# Allegro board 20173009_BALENA-FIN_V10.brd (continued)
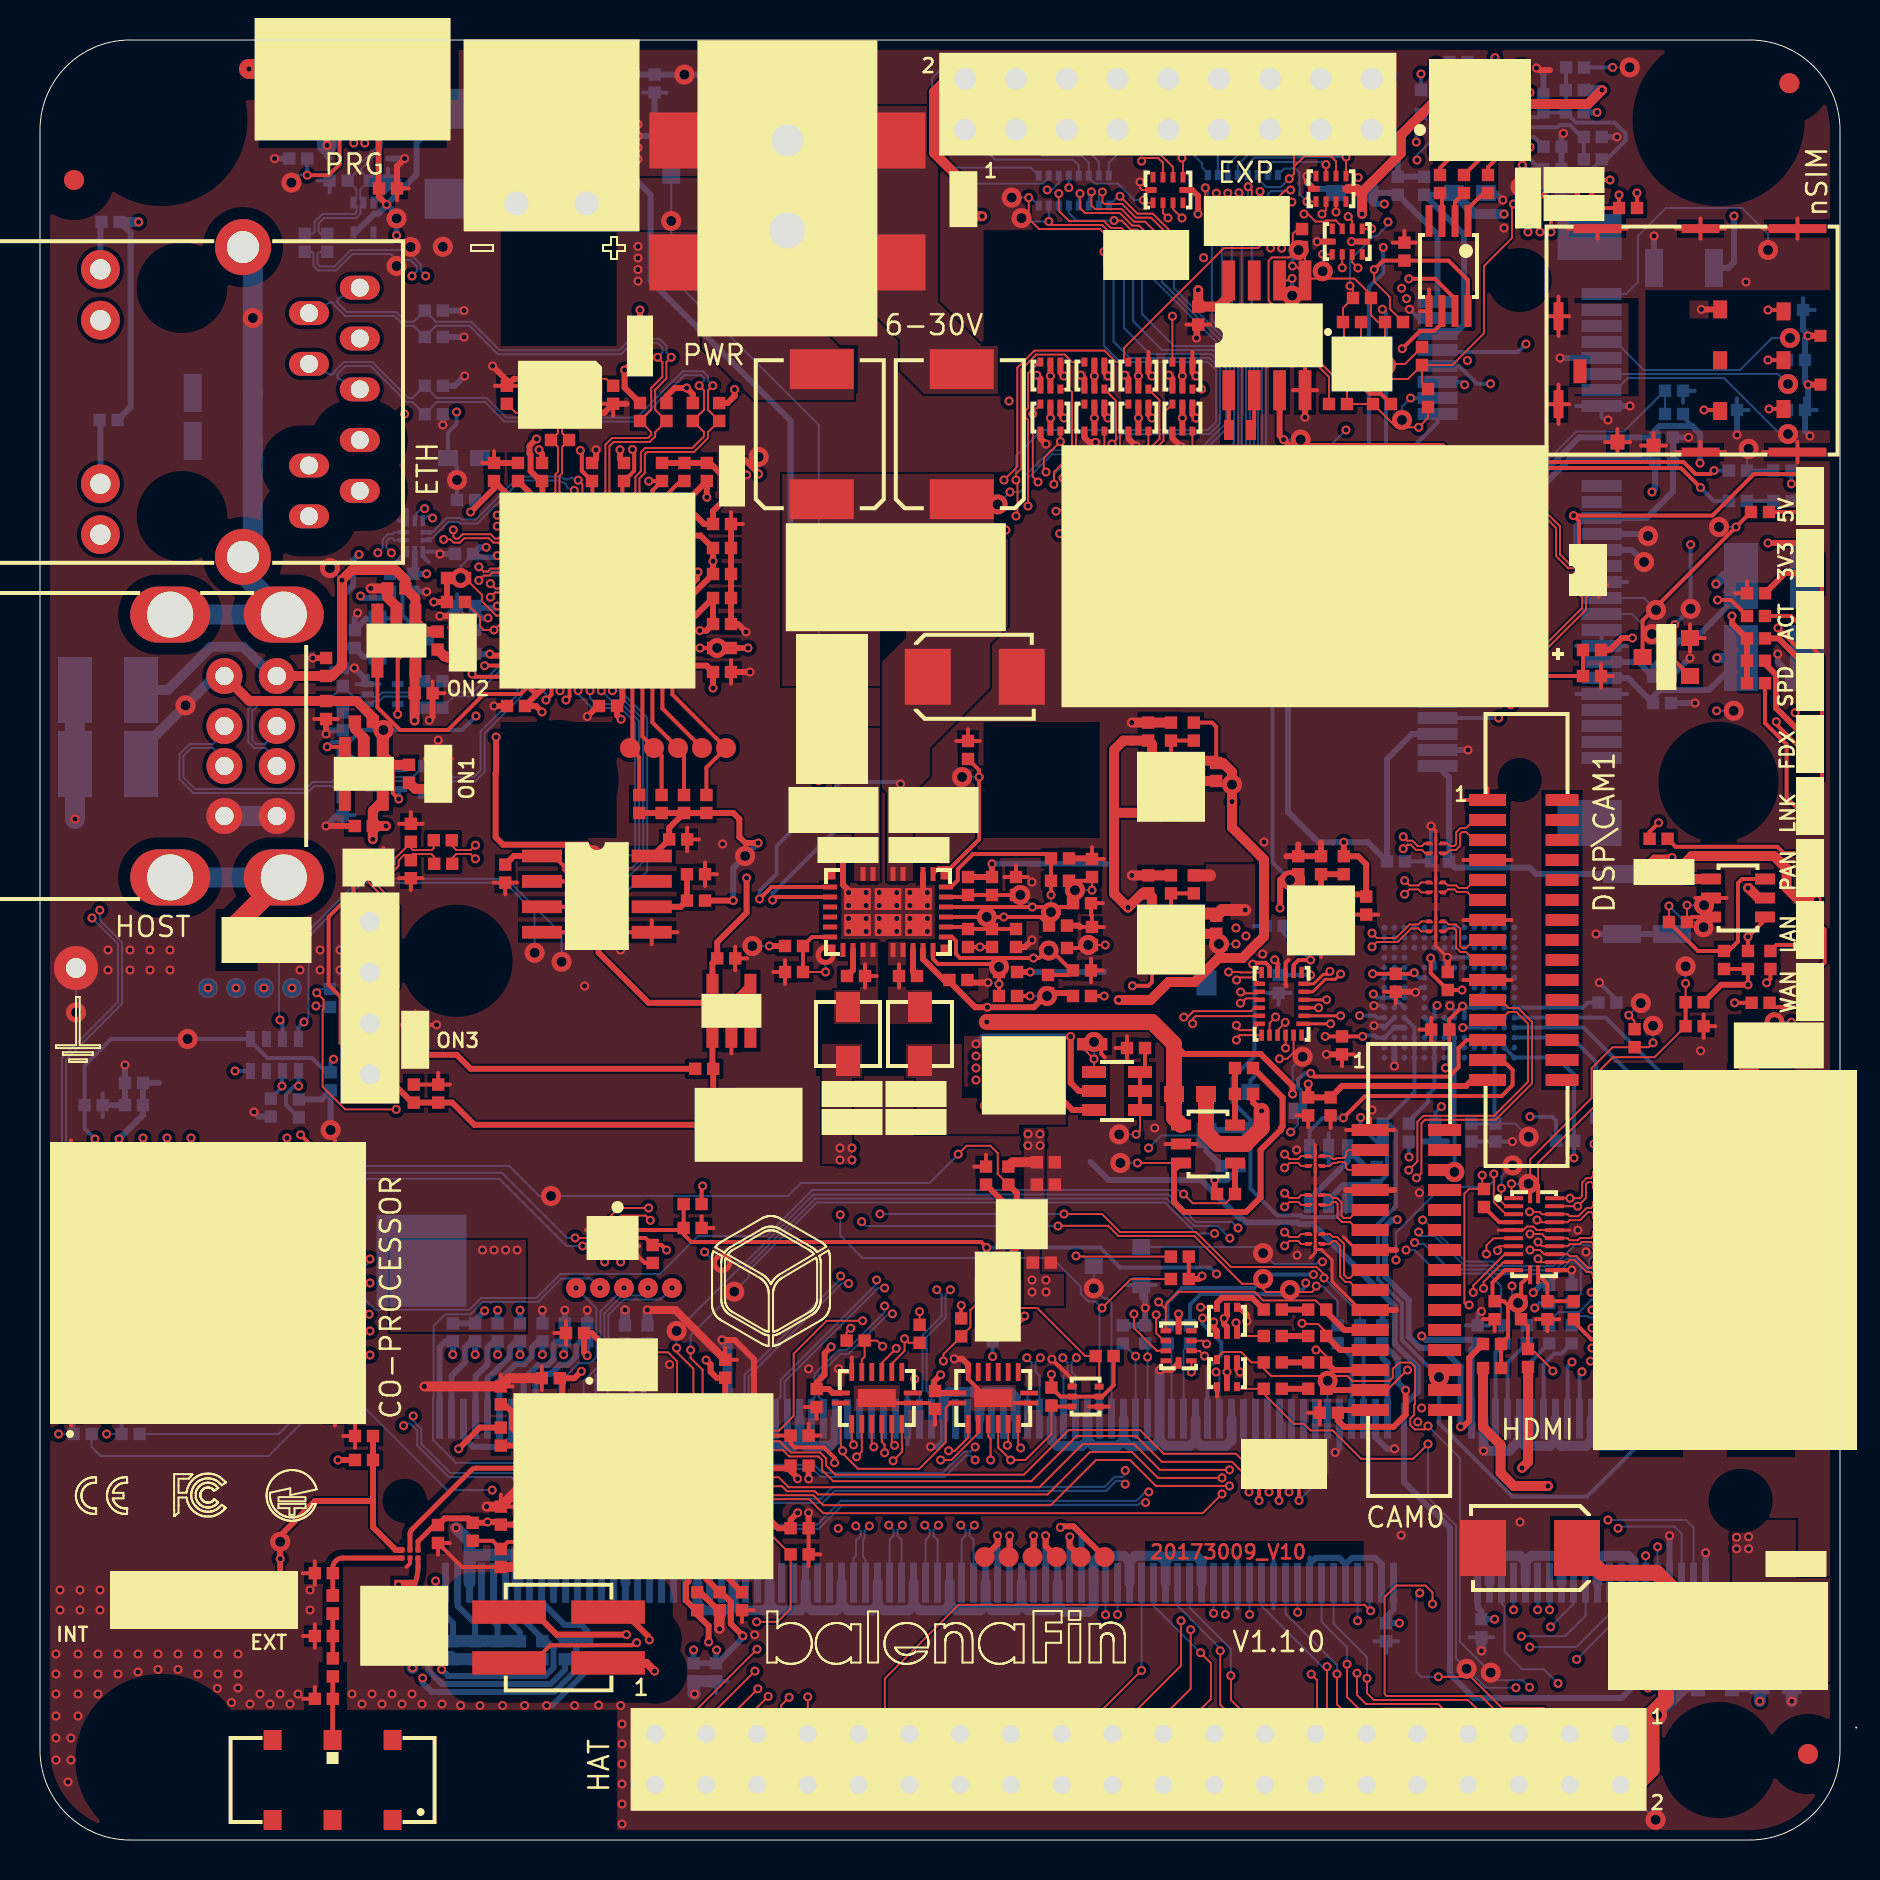
[diagram p0: board, top side]
## Routing (per net, layer and track width the routed paths; a pad name or vN(x,y) marks a point on that pad's centre or on a via; arc(x,y) is an arc through that point) (continued)
N16879685: length 1.8
  TOP w0.2: R13.2 72.96,30.89 U1.4
N16879735: length 6.3
  TOP w0.2: R244.2 R243.2 73.4,25.15 73.4,26.74 73.2,26.94 C9.1 72.62,27.05 72.62,27.88 73.24,28.49 U1.10
N16879749: length 32.5
  TOP w1: C8.2 85.44,37.48 J1.22 ; J1.24 J1.21 87.05,22.12 87.05,35.88 J1.22 ; J1.23 v1(83.64,36.88) J1.22
  BOTTOM w0.1: v1(83.64,36.88) v2(83.64,37.73)
N16879759: length 1.5
  TOP w0.2: R16.2 74.05,27.81 U1.11
N16879761: length 2.8
  TOP w0.2: L1.1 C10.1 75.37,27.8 U1.12
N16882551: length 14
  TOP w0.1: v1(51.8,29.2) 51.83,29.17 R21.1
  BOTTOM w0.1: v1(51.8,29.2) 52.19,29.2 Q1.3 v2(52.69,27.58) 53.2,27.08 53.36,27.08 53.58,26.86 53.58,22.07 53.58,22.06 J2.88
N16891942: length 5.6
  BOTTOM w0.2: Q6.3 18.13,61.24 18.13,63.11 17.93,63.31 R113.2 17.5,63.58 U13.10
N16969912: length 8
  INT1 w0.2: v1(12.6,42.6) 12.6,38.03 v1(12.93,37.7)
  BOTTOM w0.2: R128.1 12.94,36.13 12.3,36.77 12.3,37.3 12.7,37.7 v1(12.93,37.7) RR4.1
N16969957: length 6.9
  INT1 w0.2: v1(11.2,42.6) 11.2,38.6 v1(12.1,37.7)
  BOTTOM w0.2: R132.1 12.1,37.63 v1(12.1,37.7) 12.1,38.42 RR4.2
N16969979: length 5
  INT1 w0.2: v1(9.8,42.6) 9.8,38.5 v1(9.75,38.45)
  BOTTOM w0.2: RR4.4 v1(9.75,38.45)
N17037416: length 3.9
  BOTTOM w0.3: R29.1 29.58,24.5 J2.168
N17062592: length 1.4
  TOP w0.1: v1(59.95,82.36) 60.09,82.22 RR3.13
  BOTTOM w0.1: RR2.5 59.89,82.29 59.95,82.35 v1(59.95,82.36)
N17062595: length 1.3
  TOP w0.1: RR3.14 59.59,82.11 59.39,82.31 v1(59.39,82.34)
  BOTTOM w0.1: v1(59.39,82.34) RR2.6
N17062598: length 1.4
  TOP w0.1: v1(58.82,82.34) 58.82,82.32 59.09,82.05 RR3.15
  BOTTOM w0.1: RR2.7 58.89,82.25 58.82,82.32 v1(58.82,82.34)
N17062601: length 2
  TOP w0.1: RR3.16 58.27,82.02 v1(58.27,82.61)
  BOTTOM w0.1: v1(58.27,82.61) 58.39,82.48 RR2.8
N17069111: length 32.4
  BOTTOM w0.3: DS33.1 23.83,85.36 27.43,85.36 30.53,82.26 30.53,77.96 37.53,70.96 v1(37.53,65.46)
N17119064: length 2.1
  TOP w0.3: R49.1 R52.2 U6.5
N17122549: length 22.1
  TOP w0.2: v1(71.37,61.7) 71.8,62.12 71.8,62.68 71.55,62.93 71.55,68.4 71.75,68.6 82.05,68.6 v1(83.03,67.62)
  BOTTOM w0.2: R144.1 83.7,66.95 v1(83.03,67.62) ; J19.32 v1(71.37,61.7)
N17122560: length 21.2
  TOP w0.2: v1(71.37,62.5) 71.25,62.62 71.25,68.52 71.62,68.9 82.17,68.9 82.77,68.3 83.53,68.3 v1(83.7,68.47)
  BOTTOM w0.2: J19.30 v1(71.37,62.5) ; R142.1 v1(83.7,68.47)
N17123208: length 15.8
  TOP w0.2: R187.1 v1(74.4,80.4)
  INT1 w0.2: v1(74.4,80.4) 74,80 73.08,80 71.92,78.84 71.92,73.85 71.57,73.5 69.93,73.5 v1(68.53,72.1)
  BOTTOM w0.1: v2(68.1,71) 68.1,71.67 v1(68.53,72.1)
  BOTTOM w0.2: J19.14 v1(68.53,72.1)
N17123211: length 14.4
  TOP w0.2: R186.1 75,82.1 v1(75,80.4)
  INT1 w0.2: v1(71.23,72.76) 71.53,72.76 72.28,73.51 72.28,78.78 73.2,79.7 74.3,79.7 75,80.4 v1(75,80.4)
  BOTTOM w0.2: v1(71.23,72.76) 71.09,72.9 J19.12
N17123214: length 13.8
  TOP w0.2: v1(75.55,80.4) 75.55,81.25 R185.1
  INT1 w0.2: v1(72.53,72.81) 72.58,72.87 72.58,73.3 73.3,74.02 73.3,74.83 76.3,77.83 76.3,79.65 v1(75.55,80.4)
  BOTTOM w0.2: J19.10 70.93,73.7 71.08,73.55 71.1,73.55 71.84,72.81 v1(72.53,72.81)
N17123217: length 25.9
  TOP w0.2: R188.2 v1(79.85,82.35) ; 87.17,76.43 87.11,76.5 v1(86.4,76.5)
  INT1 w0.2: v1(86.4,76.5) 85.7,76.5 v1(79.85,82.35) 79.85,80.75 74.3,75.2 v1(74.3,74.8)
  BOTTOM w0.2: J19.8 69.98,74.4 73.9,74.4 v1(74.3,74.8) ; C153.1 v1(86.4,76.5)
N17128944: length 2.4
  BOTTOM w0.1: R142.2 85.35,69.48 v2(85.43,69.56)
  BOTTOM w0.2: R143.1 R142.2
N17129002: length 1.3
  BOTTOM w0.2: R145.1 R144.2
N17130185: length 46.8
  TOP w0.2: R248.1 C211.1 72.7,58.2 72.4,57.9 68,57.9 66.9,59 66.9,64.12 v1(68.47,65.7) 66.1,68.08 v1(66.1,68.4)
  INT2 w0.2: v1(67.12,76.53) 67.12,78.33 67.14,78.35 67.14,78.63 69.28,80.77 69.28,88.07 v1(69.05,88.3)
  BOTTOM w0.2: v1(66.1,68.4) 67.3,69.6 v2(67.3,73.74) 67.3,76.36 v1(67.12,76.53) ; R250.1 v1(69.05,88.3) ; J19.22 v1(68.47,65.7)
N17130223: length 10.7
  BOTTOM w0.1: J19.7 78.79,74.9 80.19,73.5 85,73.5 86.6,75.1 v2(87.5,75.1)
N17130226: length 9.5
  BOTTOM w0.1: J19.11 86.9,73.3 v2(87.4,72.8)
N17130229: length 10.7
  BOTTOM w0.1: v2(87.4,70.3) 87,70.3 84.2,73.1 79.39,73.1 78.79,72.5 J19.13
N17130232: length 2.4
  BOTTOM w0.3: J19.23 80.3,65.3 v2(80.4,65.2)
N17130235: length 2.4
  BOTTOM w0.3: J19.25 79.6,64.5 v2(80.2,63.9)
N17130238: length 3
  BOTTOM w0.1: J19.31 80.2,62.1 v2(80.8,61.5)
N17130241: length 2.9
  BOTTOM w0.1: J19.33 79.6,61.3 v2(80.6,60.3)
N17130249: length 12.8
  BOTTOM w0.1: v2(86.4,79.5) 86.4,80.3 85.1,81.6 81.3,81.6 79.9,80.2 79.9,77.9 79.3,77.3 J19.1
N17159243: length 2.1
  TOP w0.2: LD4.1 88.45,66.4 R66.2
N17159780: length 2.7
  TOP w0.3: LD5.1 87.26,63.35 R67.2
N17163814: length 2
  TOP w0.1: v1(60.41,82.66) 60.41,82.66 60.59,82.48 RR3.12
  BOTTOM w0.1: RR2.4 60.39,82.65 v1(60.41,82.66)
N17163832: length 1.5
  TOP w0.1: v1(61,82.43) 61.09,82.34 RR3.11
  BOTTOM w0.1: v1(61,82.43) 60.89,82.32 RR2.3
N17163850: length 3.1
  TOP w0.1: RR3.10 61.59,81.81 62.28,82.5 v1(62.53,82.5)
  BOTTOM w0.1: v1(62.53,82.5) 62.47,82.44 61.54,82.44 61.39,82.29 RR2.2
N17179377: length 4.4
  TOP w0.25: U26.3 18.9,13.65 arc(18.72,12.75) J9.1
  BOTTOM w0.1: v2(16.93,11.06) 17.93,12.06 v1(17.93,12.76)
N17179423: length 3.2
  TOP w0.24: ANT1.2 14.63,7.05 C60.1 C202.2
N17179429: length 2.2
  TOP w0.24: R224.2 C201.1 C202.1
N17199581: length 4.6
  BOTTOM w0.2: R8.1 76.07,24.32 75.71,24.32 75.18,23.79 J2.28
N17199633: length 4.1
  BOTTOM w0.2: R9.1 74.58,23.95 J2.30
N17201498: length 3.8
  BOTTOM w0.2: R14.1 66.18,24.65 J2.46
N17201501: length 4.1
  BOTTOM w0.2: R15.1 65.58,24.13 J2.48
N17201615: length 3.9
  BOTTOM w0.1: R17.1 57.18,24.51 J2.76
N17201618: length 3.9
  BOTTOM w0.1: R19.1 56.58,24.63 J2.78
N17222181: length 4.3
  BOTTOM w0.2: U17.A6 77.13,41.62 77.38,41.87 R139.2
N17222186: length 6.8
  INT2 w0.2: v1(69.85,41.73) 69.85,36.89 v1(70.07,36.67)
  BOTTOM w0.2: v1(70.07,36.67) 69.77,36.37 R140.2 ; v1(69.85,41.73) 69.72,41.6 U17.J5
N17293442: length 6.5
  TOP w0.3: TP1.1 53.21,14.15 51.68,15.69 51.08,15.69 v1(51.02,15.63)
  BOTTOM w0.3: v1(51.02,15.63) 51.08,15.69 51.68,15.69 52.08,15.28 J2.93
N17293451: length 3.5
  TOP w0.3: v1(51.49,15.16) 51.48,15.15 51.48,14.7 TP2.1
  BOTTOM w0.3: J2.95 51.48,15.15 v1(51.49,15.16)
N17293460: length 3.6
  TOP w0.3: TP3.1 50.28,14.7 v1(50.28,15.21)
  BOTTOM w0.3: J2.99 v1(50.28,15.21)
N17293469: length 3.4
  TOP w0.3: TP4.1 49.68,14.2 v1(49.68,15.21)
  BOTTOM w0.3: v1(49.68,15.21) J2.101
N17293478: length 3.4
  TOP w0.3: v1(48.48,15.21) 48.48,14.2 TP5.1
  BOTTOM w0.3: v1(48.48,15.21) J2.105
N17293487: length 3.7
  TOP w0.3: TP6.1 47.88,14.8 v1(47.88,15.21)
  BOTTOM w0.3: v1(47.88,15.21) J2.107
N17293833: length 3.8
  BOTTOM w0.3: J2.166 30.18,24.64 R28.1
N17297409: length 8.6
  BOTTOM w0.3: R237.1 28.91,87.56 29.63,88.27 R32.2 v2(32.22,88.27) 35.64,88.27 35.86,88.05 Q2.1
N17299945: length 73.2
  TOP w0.2: v1(83.88,62) 84.55,62 R31.1
  INT2 w0.1: v1(34.73,84.2) 34.73,77.87 38.15,74.45 53.08,74.45 54.13,75.5 77.04,75.5 80.11,72.43 80.11,68.89 84.17,64.83 84.17,62.3 v1(83.88,62)
  BOTTOM w0.1: v1(34.73,84.2) 34.7,84.2 34.66,84.16 Q3.3
  BOTTOM w0.3: Q3.3 33.93,84.35 34.28,84.7 35.47,84.7 v2(35.63,84.86) 35.91,85.13 Q2.2
N17304746: length 2.6
  TOP w0.2: R31.2 87.55,61.2 LD17.1
N17324040: length 1.4
  TOP w0.1: v1(62.59,81.9) 62.39,81.7 RR3.9
  BOTTOM w0.1: RR2.1 62.43,81.74 v1(62.59,81.9)
N17354151: length 5.7
  TOP w0.2: J13.4 14.98,83.78 14.44,83.24 v1(13.36,83.24)
  BOTTOM w0.1: v1(13.36,83.24) 12.94,83.24 v2(12.57,82.87)
  BOTTOM w0.2: R153.2 v1(13.36,83.24)
N18385522: length 7
  TOP w0.5: F2.1 44.7,84.36 44.7,87.4 45.36,88.06 J14.2
N18386630: length 4.8
  TOP w0.1: v1(54,82.19) 54.87,81.31 55.64,81.31 56.56,80.4 56.87,80.4 57.06,80.21 RR13.9
  BOTTOM w0.1: v1(54,82.19) 53.91,82.19 RR14.1
N18386633: length 5.5
  TOP w0.1: v1(53.12,82.4) 53.12,81.9 53.22,81.8 54.1,81.8 54.79,81.12 55.56,81.12 56.56,80.11 RR13.10
  BOTTOM w0.1: v1(53.12,82.4) 52.94,82.22 RR14.2
N18386636: length 5.7
  TOP w0.1: RR13.11 56.06,80.11 55.26,80.91 54.71,80.91 54.07,81.55 52.75,81.55 52.57,81.73 v1(52.57,82.41)
  BOTTOM w0.1: v1(52.57,82.41) 52.44,82.27 RR14.3
N18386651: length 5.6
  TOP w0.1: v1(52,82.32) 52,81.6 52.25,81.35 53.99,81.35 54.62,80.72 54.96,80.72 55.56,80.11 RR13.12
  BOTTOM w0.1: v1(52,82.32) 51.94,82.26 RR14.4
N18386810: length 4.7
  TOP w0.1: RR13.13 55.06,80.33 54.87,80.52 54.54,80.52 54.08,80.97 v1(53.7,80.97)
  BOTTOM w0.1: RR14.5 51.44,81.36 51.83,80.97 v1(53.7,80.97)
N18386815: length 5.8
  TOP w0.1: RR13.14 54.56,80.11 54.07,80.6 53.54,80.6 53.19,80.95 51.45,80.95 50.94,81.46 v1(50.94,82.32)
  BOTTOM w0.1: RR14.6 v1(50.94,82.32)
N18386822: length 6.5
  TOP w0.1: v1(50.44,80.93) 50.44,80.85 50.54,80.75 53.11,80.75 53.46,80.4 53.96,80.4 54.06,80.3 RR13.15
  BOTTOM w0.1: RR14.7 v1(50.44,80.93) 49.25,80.93 v2(49.08,81.09)
N18386825: length 7.1
  TOP w0.1: v1(49.44,82.12) 49.44,81.06 49.95,80.55 53,80.55 53.45,80.1 53.46,80.1 RR13.16
  BOTTOM w0.1: RR14.8 49.54,82.12 v1(49.44,82.12) v2(48.59,82.12)
N18400731: length 1.7
  TOP w0.3: U20.4 48.34,31.73 C152.1
N18401161: length 1.8
  TOP w0.3: R182.1 48.84,29.62 U20.6
N18405003: length 3.9
  BOTTOM w0.2: R1.2 80.22,9.14 R183.2 80.5,10.36 R3.2
  BOTTOM w0.3: R184.2 R183.2
N18406483: length 22.5
  TOP w0.2: 87.17,73.99 87.17,74 v1(86.4,74) ; R187.2 74.4,83.47 v1(74.12,83.75)
  INT2 w0.2: v1(74.12,83.75) 79.05,83.75 81.4,81.4 81.4,75.4 82.8,74 v1(86.4,74)
  BOTTOM w0.2: C154.1 v1(86.4,74)
N18406582: length 16.2
  TOP w0.2: R185.2 R188.1 v1(78.95,82.25) ; v1(83.2,71.5) 83.95,71.5 J22.7
  INT2 w0.2: v1(83.2,71.5) 78.95,75.75 v1(78.95,82.25)
  BOTTOM w0.2: C156.1 v1(83.2,71.5)
N18406685: length 27.1
  BOTTOM w0.2: J19.16 69.88,70.88 61.62,62.62 61.62,48.88 v2(62.5,48)
N18408710: length 19.3
  TOP w0.2: R186.2 v1(78.5,83) ; 87.17,71.55 v1(86.45,71.55)
  INT2 w0.2: v1(78.5,83) 79.1,83 79.4,82.7 79.4,76 83.48,71.93 86.08,71.93 v1(86.45,71.55)
  BOTTOM w0.2: C155.1 87.3,71.55 v1(86.45,71.55)
N18424363: length 12.5
  INT3 w0.3: v1(20.83,71.4) 20.83,72.2 20.4,72.63 20.4,74.23 19.55,75.08 15.99,75.08
  BOTTOM w0.2: R200.1 v2(20.85,68) 20.85,68.65 C135.1 20.4,70.37 20.83,70.8 v1(20.83,71.4)
N18431035: length 1.5
  TOP w0.3: U22.63 24.62,67.23 R201.1
N18432576: length 1.7
  TOP w0.2: U22.50 31.12,67.05 32.02,67.95 R202.1
N18433009: length 7
  TOP w0.2: v1(32.9,63.4) 32.9,63.05 32.58,62.72 U22.41 ; R203.1 v1(33,59.6)
  INT1 w0.2: v1(32.9,63.4) 33.5,62.8 33.5,60.1 v1(33,59.6)
  BOTTOM w0.1: v2(33.85,59.6) v1(33,59.6)
N18435074: length 7.7
  TOP w0.1: C148.1 23.79,71.36 Y2.3 25.78,71.36 25.9,71.24 25.9,70.35 R204.2 25.9,69.65 25.9,68.41 25.77,68.28 25.77,67.42 25.62,67.27 U22.61
N18435086: length 8.9
  TOP w0.1: U22.60 26.12,67.27 25.97,67.42 25.97,68.2 26.1,68.33 26.1,69.65 R204.1 26.1,70.35 26.1,72.18 26.98,73.06 Y2.1 28.31,73.06 C147.1
N18439563: length 80.7
  TOP w0.2: v1(86.81,55.91) 86.81,55.78 88.5,54.1 LD14.1 ; v1(25.3,57) 25.57,57.27 25.57,58.12 U22.20
  INT1 w0.1: v1(25.3,57) 25.3,57.29 26.05,58.05 30.45,58.05 33.52,54.98 44.11,54.98 48.61,59.48 65.02,59.48 69.37,63.83 85.44,63.83 88.21,61.06 88.21,56.29 87.84,55.91 v1(86.81,55.91)
  BOTTOM w0.1: v1(25.3,57) 25.3,57.3 v2(24.84,57.76)
N18440280: length 4.2
  TOP w0.1: R205.1 22,61.15 22,60.7 22.2,60.5 v1(22.7,60.5) 22.92,60.72 U22.12
  BOTTOM w0.1: C187.2 v1(22.7,60.5)
N18441109: length 3.2
  TOP w0.3: U19.6 32.04,46.66 R169.1 R171.2
N18444316: length 7.4
  TOP w0.2: R206.1 33.32,53.62 TP69.1 31.62,57.28 U22.32
N18444319: length 4.4
  TOP w0.2: U22.31 31.12,56.58 TP68.1
N18444322: length 6.6
  TOP w0.2: U22.30 30.62,55.88 TP67.1 32.2,54.3 R207.1
N18444325: length 6.3
  TOP w0.2: U22.29 30.12,55.18 TP66.1 31.08,54.22 R208.1
N18444328: length 6.2
  TOP w0.2: U22.28 29.62,54.72 TP65.1 29.96,54.14 R209.1
N18447675: length 1.6
  TOP w0.5: R210.1 18.75,52.56 LD15.2
N18448098: length 1.4
  TOP w0.5: R211.1 20.22,59.18 20.32,59.18 20.38,59.12 LD16.2
N18449262: length 3.3
  TOP w0.1: R212.1 22.1,62.25 22.1,61.93 22.81,61.22 U22.11
N18457379: length 2
  TOP w0.2: U23.1 59.44,70.51 Y4.2
N18457384: length 2.1
  TOP w0.2: U23.2 60.71,70.66 Y4.1
N18469944: length 24.1
  TOP w0.3: U23.3 61.98,70.22 v1(62.18,70.02) 62.5,69.7 70.1,69.7 70.89,68.91 70.89,61.5 71.17,61.23 72.33,61.23 73.77,62.67 BAT1.1
  BOTTOM w0.1: v1(62.18,70.02) v2(63.03,70.02)
N18472937: length 2.1
  TOP w0.3: MOD1.B9 34.22,13.27 C199.2
N18475436: length 5.7
  TOP w0.3: 24.1,20.1 23.72,19.72 R219.2 ; 24.1,20.1 23.6,20.6 23.6,21.4 23.22,21.78 R222.2 ; 24.1,20.1 25.51,20.1 MOD1.L3
N18475447: length 4.9
  TOP w0.2: R220.2 22.63,14.96 R221.2 23.39,14.9 25.33,14.9 25.35,14.88 26,14.88 MOD1.L8
N18488781: length 5.1
  TOP w0.24: R224.1 L10.2
  TOP w0.25: L10.2 14.64,13.6 arc(14.79,13.95) 15.14,14.1 U26.1
N18498215: length 13
  BOTTOM w0.2: R233.2 76.3,87.51 R236.1 R235.1 ; R234.2 v2(77.23,82.4) 77.23,83.17 78.09,84.03 R230.2 78.33,84.03 79.28,84.97 79.28,85.33 78.73,85.87 76.8,85.87 76.29,86.38 R235.1 ; R235.1 C204.1 74.93,86.14 U25.14
N18498233: length 4.4
  BOTTOM w0.2: U25.15 75.88,85.64 76,85.76 76.49,85.76 77.09,85.15 R229.2 R230.1
N18502868: length 10.5
  INT1 w0.2: v1(74.5,84.64) 74.5,85.7 77.43,88.63 v1(78.63,88.63)
  BOTTOM w0.1: v1(78.63,88.63) v2(79.48,88.63)
  BOTTOM w0.2: v1(74.5,84.64) 74.5,84.8 U25.16 74.7,85.14 R231.2 ; R233.1 v1(78.63,88.63)
N18502871: length 4.5
  BOTTOM w0.1: R234.1 74.29,82.4 v2(74.03,82.66)
  BOTTOM w0.2: R234.1 75.17,82.42 R232.2 74.99,83.55 74.15,84.39 U25.1
N18639689: length 11.6
  TOP w0.1: R269.1 v1(81.45,46.7)
  TOP w0.2: Q16.3 85.1,48.05 84.9,47.85 84.9,44.93 84.42,44.45 R271.1 82.9,44.45 81.45,45.9 R269.1
  BOTTOM w0.1: v1(81.45,46.7) 82.25,45.9 82.92,45.9 v2(83.18,45.64)
N18639693: length 3
  TOP w0.1: R269.2 v1(82.35,46.74)
  TOP w0.2: R269.2 82.6,46.15 Q16.6
  BOTTOM w0.1: v1(82.35,46.74) v2(83.2,46.74)
N18652550: length 15.9
  TOP w0.3: 16.65,16.95 R240.1 R275.2 ; 16.65,16.95 13.75,16.95 12.01,15.21 v1(12.01,14.06) DSW1.2 ; 16.65,16.95 16.65,15.64 17.79,14.5 U26.6
  BOTTOM w0.2: v1(12.01,14.06) v2(12.01,14.91)
N18655098: length 9.6
  TOP w0.1: R260.2 52.16,39.59 v1(52.7,39.05) Q15.4 ; v1(47.23,36.71) 47.66,37.15 47.66,37.26
  INT1 w0.1: v1(47.23,36.71) 50.36,36.71 v1(52.7,39.05)
  BOTTOM w0.1: v1(52.7,39.05) v2(52.7,39.9)
N18655160: length 5.4
  TOP w0.1: v1(54.81,35.28) 55,35.47 Q15.1
  TOP w0.2: R262.2 55.25,38.65 Q15.3 Q15.2 Q15.1
  BOTTOM w0.1: v1(54.81,35.28) v2(53.96,35.28)
N18656712: length 2.9
  TOP w0.3: R270.1 R272.1 Q17.3
N18656716: length 17.5
  TOP w0.1: Q17.6 v1(54.87,33.85)
  TOP w0.3: R270.2 62.13,37.12 62.13,35.67 62.06,35.6 62.06,35.53 61.03,34.5 61.03,32.13 60.3,31.4 57.2,31.4 56.7,31.9 56.7,33.5 Q17.6
  BOTTOM w0.1: v1(54.87,33.85) v2(54.02,33.85)
N18660257: length 10.3
  TOP w0.2: Q13.3 80.13,60.98 v1(84.8,65.65) R66.1
  BOTTOM w0.1: v1(84.8,65.65) v2(83.95,65.65)
N18668852: length 40.8
  INT1 w0.2: v1(68.39,66.5) 67.75,66.5 66.65,67.6 65.25,67.6 v1(64.86,67.99)
  INT2 w0.1: v1(67.16,79.63) 67.16,80 68.26,81.1 68.26,84.55 68.61,84.9 v1(68.81,84.9)
  BOTTOM w0.1: R246.1 R247.2 81.23,72.46 79.2,70.43 76.83,70.43 72.9,66.5 J19.20
  BOTTOM w0.2: R249.1 68.81,86.06 v1(68.81,84.9) ; v1(68.39,66.5) J19.20 ; v1(67.16,79.63) 67.16,78.37 66.44,77.65 v2(66.44,74.58) 66.44,69.57 v1(64.86,67.99)
N18679781: length 1.8
  TOP w0.2: C219.2 41.84,43.2 ; C219.2 41.25,43.79 ; C219.2 41.25,42.61
N18679823: length 1.2
  TOP w0.2: 42.95,42.61 C218.2 42.95,43.79
N18679899: length 8.1
  TOP w0.2: U27.1 44.65,48.31 44.94,48.6 45.52,48.6 46.95,50.03 v1(46.95,53.15) 46.95,53.49 R263.2
  BOTTOM w0.1: v2(46.1,53.15) v1(46.95,53.15)
N18689680: length 32.8
  TOP w0.3: v1(36.47,44.7) R259.2 ; R256.2 51.5,42.35 R253.2 49.69,41.64 v1(47.37,41.64) 46.76,41.64 45.47,42.93 C226.1 45.2,43 44.15,44.05 U27.25
  INT1 w0.3: v1(36.47,44.7) 37.13,44.7 37.73,44.1 37.73,38.26 38.63,37.36 46.86,37.36 47.94,38.44 47.94,41.07 v1(47.37,41.64)
  BOTTOM w0.1: v2(35.62,44.7) v1(36.47,44.7)
N18690133: length 7.3
  TOP w0.2: U27.30 v1(49.62,46.65) 51.46,46.65 C214.2
  BOTTOM w0.1: v2(49.02,47.25) v1(49.62,46.65)
N18690136: length 6.2
  TOP w0.2: C215.2 50.02,46.15 v1(48.19,46.15) U27.29
  BOTTOM w0.1: v2(47.34,46.15) v1(48.19,46.15)
N18692359: length 10.1
  TOP w0.2: R253.1 51.42,43.25 C217.2 51.57,43.48 50.45,44.6 R252.1 49.95,44.1 v1(49.67,44.1) 46,44.1 45.8,44.3 45.8,44.95 45.6,45.15 U27.27
  BOTTOM w0.1: v1(49.67,44.1) 50.05,44.1 50.42,44.47 v2(50.44,44.47)
N18692780: length 15.8
  TOP w0.2: U27.32 45.55,47.65 45.89,47.99 45.89,48.54 46.65,49.3 50.33,49.3 C212.2 R251.1 v1(50.55,47.25) ; R256.1 v1(53.21,42.2)
  INT1 w0.2: v1(53.21,42.2) 52.55,42.86 52.55,45.25 v1(50.55,47.25)
  BOTTOM w0.1: v2(50.55,46.4) v1(50.55,47.25)
N18693121: length 2.7
  TOP w0.1: C213.2 v1(52.6,47.49)
  TOP w0.2: R251.2 52.41,47.96 C213.2
  BOTTOM w0.1: v2(51.75,47.49) v1(52.6,47.49)
N18693124: length 2.8
  TOP w0.1: C216.2 v1(53.26,44.75)
  TOP w0.2: C216.2 52.45,44.6 R252.2
  BOTTOM w0.1: v1(53.26,44.75) v2(52.41,44.75)
N18695554: length 4.8
  TOP w0.1: R264.2 v1(39.28,43.4)
  TOP w0.2: U27.16 38.6,45.15 R259.1 R264.2
  BOTTOM w0.1: v1(39.28,43.4) v2(39.28,44.25)
N18696577: length 6.2
  TOP w0.2: R255.1 v1(47.95,42.8) R254.1 47.95,43.6 47.75,43.8 44.9,43.8 44.65,44.05 U27.26
  BOTTOM w0.1: v2(47.95,43.65) v1(47.95,42.8)
N18698386: length 1.4
  TOP w0.3: C218.1 43.65,43.4 U27.24
N18698691: length 1.4
  TOP w0.3: U27.18 40.65,43.5 C219.1
N18784708: length 4.6
  TOP w0.1: Y5.3 31.4,24.39 31.85,23.93 31.85,21.62 MOD1.E1
N19330929: length 4.2
  BOTTOM w0.2: R11.1 73.38,23.87 J2.34
N19330932: length 4
  BOTTOM w0.2: J2.36 72.78,24.39 R12.1
N19357608: length 2.2
  TOP w0.2: 71.1,85.03 71.1,84.7 70,83.6 R123.1
N19378336: length 69.1
  TOP w0.1: v1(13.84,42.36) 14.18,42.02 14.18,41.54 14.13,41.5 14.13,37.66 15.26,36.53 v1(17.81,36.53)
  INT1 w0.1: v1(33.23,29.4) 30.59,32.04 24,32.04 23.23,32.81 19.43,32.81 17.81,34.43 v1(17.81,36.53) ; v1(58.8,23.4) 60.72,25.32 60.72,26.98 59.9,27.8 v1(59.9,30.6)
  BOTTOM w0.1: v1(33.23,29.4) 33.78,28.85 v2(34.1,28.85) 35.25,28.85 38.67,32.27 56.42,32.27 57.79,30.9 59.6,30.9 v1(59.9,30.6) ; v1(13.84,42.36) 14.03,42.55 R293.1 ; J2.70 58.98,23.22 v1(58.8,23.4)
N19465405: length 14.3
  TOP w0.3: R294.1 21.53,38.56 20.83,39.26 LD18.2
N19490611: length 2
  TOP w0.2: 72.9,85.03 72.9,84.14 72.4,83.64 R119.1
N19490616: length 2.1
  TOP w0.2: 72,85.03 72,84.05 R121.1
N20229851: length 3.2
  BOTTOM w0.3: R308.2 3.02,70.96 J20.13
N20229854: length 2.4
  BOTTOM w0.3: J20.11 3.02,80.84 R307.1
N20266908: length 2.8
  TOP w0.3: LD13.2 88.35,58.65 86.92,60.08 R174.1
N20266937: length 7.8
  TOP w0.2: LD12.2 87.33,52.12 87.33,54.77 86.25,55.85 R175.1
N20266961: length 4.7
  TOP w0.3: R177.1 86.25,58.81 86.81,58.25 86.81,56.59 87.85,55.55 LD14.2
N20267004: length 1.7
  BOTTOM w0.2: R311.2 71.91,88.37 U25.9
N20267170: length 3.8
  TOP w0.2: MOD2.2 v1(2.75,23.78)
  BOTTOM w0.2: v1(2.75,23.78) 2.75,21.77 R312.1
N20267197: length 3.8
  TOP w0.2: MOD2.4 v1(5.15,23.78)
  BOTTOM w0.2: R313.1 5.15,21.77 v1(5.15,23.78)
N20273293: length 5.3
  BOTTOM w0.3: R316.1 66.28,33.65 Q20.6 65.38,33.93 63.48,32.03 Q20.3
N20278857: length 7.7
  TOP w0.1: v1(40.53,25.59) 40.33,25.39 R23.2
  TOP w0.2: R24.1 v1(46.06,26.73)
  INT3 w0.2: v1(46.06,26.73) 45.94,26.85 43.8,26.85 43.23,26.27 43.23,25.86 42.9,25.54 40.58,25.54 v1(40.53,25.59)
N20278874: length 6.3
  TOP w0.1: R25.2 v1(43.98,26.42)
  INT3 w0.2: v1(48.13,26.6) 47.48,25.95 44.39,25.95 43.98,26.36 v1(43.98,26.42)
  BOTTOM w0.2: v1(48.13,26.6) 47.63,26.1 R26.1
N20285008: length 3.6
  TOP w0.2: v1(63.53,44) 62.93,44 62.68,43.75 U31.8
  BOTTOM w0.2: R309.2 62.18,45.35 v1(63.53,44)
N20297788: length 1.3
  TOP w0.3: R81.2 R82.1
N20297820: length 1.3
  TOP w0.3: R83.2 R84.1
N20297852: length 1.3
  TOP w0.3: R85.2 R86.1
N20297874: length 1.3
  TOP w0.3: R87.2 R88.1
N20330182: length 25.5
  TOP w0.2: R146.1 v1(84.73,41.86)
  INT4 w0.2: v1(71.43,57.36) 71.43,56.26 72.33,55.36 73.93,55.36 75.93,53.36 75.93,48.86 80.83,43.96 82.63,43.96 v1(84.73,41.86)
  BOTTOM w0.2: v1(71.43,57.36) 71.09,57.7 J19.42
N20330192: length 2.1
  TOP w0.2: LD9.1 86.69,41.65 R146.2
N20330200: length 25.3
  TOP w0.2: v1(86.33,42.86) 86.52,43.05 R147.1
  INT4 w0.2: v1(73.53,56.76) 77.83,52.46 77.83,48.66 81.43,45.06 84.13,45.06 v1(86.33,42.86)
  BOTTOM w0.2: v1(73.53,56.76) 71.23,56.76 71.09,56.9 J19.44
N20330210: length 2.1
  TOP w0.2: LD10.1 86.82,44.75 R147.2
N20330214: length 15.9
  TOP w0.2: R148.1 80.48,50.41 v1(80.93,50.86)
  INT4 w0.2: v1(72.93,56.1) 72.93,57.06 73.33,57.46 74.33,57.46 v1(80.93,50.86)
  BOTTOM w0.2: J19.46 v1(72.93,56.1)
N20330216: length 7.4
  TOP w0.2: LD11.1 87.18,49.35 86.87,49.66 81.78,49.66 R148.2

## Copper pours and planes (outline as drawn; the poured copper is in the pictures)
+1V8 on TOP: 59.51,44.47 59.51,46.92 58.3,46.92 58.3,48.79 60.76,48.79 60.76,44.47
+1V8 on POWER: 25.82,11.09 25.82,24.55 29.04,24.55 29.04,22.72 52.05,22.72 52.05,30.66 55.43,30.66 55.43,46.85 60.71,46.85 60.71,27.18 55.23,27.18 55.23,22.72 55.24,22.72 55.24,19.52 29.04,19.52 29.04,11.09 ; 1 cut-out
+3V3 on TOP: 49.19,26.7 49.19,30.36 49.99,30.36 49.99,28.31 51.2,28.31 51.2,26.7
+3V3 on TOP: 17.5,30 17.5,25.4 24.3,25.4 24.3,30
+3V3 on INT4: 4.5,0.5 1.67,1.67 0.5,4.5 0.5,24.05 4.2,24.05 4.2,31.65 0.5,31.65 0.5,85.5 1.67,88.33 4.5,89.5 85.5,89.5 88.33,88.33 89.5,85.5 89.5,4.5 88.33,1.67 85.5,0.5 ; 49 cut-outs
+3V3 on POWER: 0.7,86.75 2.15,88.74 4.5,89.5 85.5,89.5 88.33,88.33 89.5,85.5 89.5,18.5 74.7,18.5 74.7,11.7 89.5,11.7 89.5,6.8 29.6,6.8 29.6,7.9 10.4,7.9 10.4,9.8 0.5,9.8 0.5,24.05 4.2,24.05 4.2,31.65 0.5,31.65 0.5,75.4 0.7,75.4 ; 23 cut-outs
+3V3_A on POWER: 20.4,60.71 20.4,73.1 35.3,73.1 35.3,65.9 33.2,65.9 33.2,60.71 ; 2 cut-outs
+3V3_ON on TOP: 39.1,35.3 39.1,39.8 41.1,39.8 41.1,38.1 40.6,38.1 40.6,35.3
+3V3_ON on TOP: 49.19,31.22 49.19,35.6 50.23,35.6 50.23,31.22
+3V3_ON on TOP: 39.1,36.59 39.1,33.8 40.6,33.8 40.6,36.59
+3V3_ON on BOTTOM: 5.7,33.8 5.7,38.6 7.9,38.6 10.5,36 20.9,36 20.9,40.3 38.8,40.3 38.8,38.2 45.7,38.2 45.7,40.3 53.1,40.3 53.1,66.3 57.4,66.3 57.4,33.8 ; 1 cut-out
+3V3_ON on POWER: 53.1,65 53.1,69.2 49.7,69.2 49.7,74.6 53.1,74.6 53.1,80.6 46.9,80.6 46.9,81.6 55.7,81.6 55.7,82.7 57.9,82.7 57.9,81.6 67.6,81.6 67.6,78 57.4,78 57.4,65
+3V3_ON on POWER: 50.73,33.8 39.63,33.8 39.63,35.4 48.33,35.4 48.33,43.6 50.73,43.6
+5V on TOP: 84.6,7.9 84.6,16 87.8,16 87.8,13.1 89.5,13.1 89.5,7.9
+5V on TOP: 38.1,55.6 42,55.6 42,47.95 40.7,47.95 40.7,50.4 39.7,50.4 39.7,53.6 38.1,53.6
+5V on TOP: 46.2,37.66 46.2,40.2 48.2,40.2 48.2,37.66
+5V on INT2: 45.5,37.7 45.5,47.8 38.9,47.8 38.9,52.9 47.4,61.4 47.4,37.7
+5V on POWER: 74.8,11.9 74.8,47.07 44.88,47.07 44.88,48.6 38.6,48.6 38.6,58.73 80.9,58.73 80.9,17.9 89.5,17.9 89.5,11.9
+5V_INT on TOP: 47.57,35.29 47.57,35.3 43.8,35.3 43.8,38.1 43.3,38.1 43.3,39.8 46.1,39.8 46.1,37.1 48.24,37.1 48.24,40.18 51.29,40.18 51.29,35.76 48.95,35.76 48.95,35.29
GND_DIGITAL on TOP: 0.5,85.5 1.67,88.33 4.5,89.5 85.5,89.5 88.33,88.33 89.5,85.5 89.5,4.5 88.33,1.67 85.5,0.5 4.5,0.5 1.67,1.67 0.5,4.5 0.5,24.05 4.2,24.05 4.2,31.65 0.5,31.65 ; 115 cut-outs
GND_DIGITAL on GND: 4.5,0.5 1.67,1.67 0.5,4.5 0.5,24.05 4.2,24.05 4.2,31.65 0.5,31.65 0.5,85.5 1.67,88.33 4.5,89.5 85.5,89.5 88.33,88.33 89.5,85.5 89.5,4.5 88.33,1.67 85.5,0.5 ; 24 cut-outs
GND_DIGITAL on INT1: 4.5,0.5 1.67,1.67 0.5,4.5 0.5,24.05 4.2,24.05 4.2,31.65 0.5,31.65 0.5,85.5 1.67,88.33 4.5,89.5 85.5,89.5 88.33,88.33 89.5,85.5 89.5,4.5 88.33,1.67 85.5,0.5 ; 44 cut-outs
GND_DIGITAL on INT2: 4.5,0.5 1.67,1.67 0.5,4.5 0.5,24.05 4.2,24.05 4.2,31.65 0.5,31.65 0.5,85.5 1.67,88.33 4.5,89.5 85.5,89.5 88.33,88.33 89.5,85.5 89.5,4.5 88.33,1.67 85.5,0.5 ; 49 cut-outs
GND_DIGITAL on INT3: 0.5,85.5 1.67,88.33 4.5,89.5 85.5,89.5 88.33,88.33 89.5,85.5 89.5,4.5 88.33,1.67 85.5,0.5 4.5,0.5 1.67,1.67 0.5,4.5 0.5,24.05 4.2,24.05 4.2,31.65 0.5,31.65 ; 26 cut-outs
GND_DIGITAL on INT4, POWER: 4.5,0.5 1.67,1.67 0.5,4.5 0.5,9.7 10.3,9.7 10.3,7.8 29.5,7.8 29.5,0.5
VIN_CON on TOP: 35.7,72 33.1,74.6 33.1,80.5 26,80.5 26,83.1 36,83.1 36,78.6 40,74.6 40.7,74.6 40.7,72
VIN_JACK on TOP: 44.2,72.3 43,73.5 43,75 41.6,76.4 41.6,86.7 44.9,86.7 44.9,76.9 47.1,74.7 47.9,74.7 47.9,72.3
(no net) on BOTTOM: 85.5,89.5 88.33,88.33 89.5,85.5 89.5,4.5 88.33,1.67 85.5,0.5 4.5,0.5 1.67,1.67 0.5,4.5 0.5,24.05 4.2,24.05 4.2,31.65 0.5,31.65 0.5,85.5 1.67,88.33 4.5,89.5 ; 155 cut-outs
+VALIM on TOP: 42.35,47.95 42.35,52.35 42.1,52.6 42.1,58.9 43.3,60.1 43.3,64.3 48.4,64.3 48.4,60.7 47.5,59.8 47.5,57.6 44.5,54.6 44.5,53.2 43.65,52.35 43.65,47.95
+VALIM on TOP: 43.3,65.1 43.3,63.7 48.4,63.7 48.4,65.1
N17069111 on TOP: 37.1,57.7 37.1,68.3 47.7,68.3 47.7,65.5 42,65.5 42,57.7
N18679781 on TOP: 39.7,40.8 39.7,42.5 41,42.5 41,44.9 41.9,44.9 41.9,40.8
N18679823 on TOP: 44.6,40.8 44.6,42.5 43.3,42.5 43.3,44.9 42.4,44.9 42.4,40.8

## Text on the board
Ref Des/Silkscreen Bottom: DISP | CAM1 | 3V3O | RST | SWC | SWD | mPCIE | CM3L | Raspberry Pi | 1
User.Comments: CR_MPM3630GQV_1 | CR_UNNAMED2_3 | CR_UNNAMED3_1 | CR_UNNAMED_1
TOP: 20173009_V10
Ref Des/Assembly Top: ATTENZIONE | SALDATURA | PIN
Ref Des/Silkscreen Top: INT | EXT | ON3 | ON2 | 2 | 1 | ON1 | SPD | 3V3 | 5V | ACT | FDX | LNK | PAN | LAN | WAN | HOST | PRG | PWR | 6-30V | EXP | V1.1.0 | CAM0 | HDMI | CO-PROCESSOR | ETH | HAT | DISP\CAM1 | nSIM
XSECTION_CHART: *  SURFACE - AIR 0 MM | L1 TOP CONDUCTOR - COPPER 0.018 MM | *  DIELECTRIC - FR-4 0.13 MM | L2 GND CONDUCTOR - COPPER 0.018 MM | *  DIELECTRIC - FR-4 0.254 MM | L3 INT1 CONDUCTOR - COPPER 0.018 MM | *  DIELECTRIC - FR-4 0.165 MM | L4 INT2 CONDUCTOR - COPPER 0.018 MM | L5 INT3 CONDUCTOR - COPPER 0.018 MM | L6 INT4 CONDUCTOR - COPPER 0.018 MM | L7 POWER CONDUCTOR - COPPER 0.018 MM | L8 BOTTOM CONDUCTOR - COPPER 0.018 MM | DESIGN CROSS SECTION CHART | ___________________________ | TOTAL THICKNESS 1.496 MM | 1-8
DIMENSION: TOP SIDE VIEW
User.25: FIGURE | FINISHED SIZE | 0.254 | 0.6 | 0.9 | 0.92 | 1.0 | 1.02 | 1.1 | 1.2 | 1.3 | 1.6 | 2.3 | 1.8 | 2.2 | 2.7 | 3.25 | 3.3 | DRILL CHART: TOP to BOTTOM | ALL UNITS ARE IN MILLIMETERS | TYPE | PLATED | NON-PLATED | QTY | 1060 | 2 | 49 | 8 | 5 | 4 | 18 | 3 | 1 | 6
